# KiCad board toro60_hs.kicad_pcb
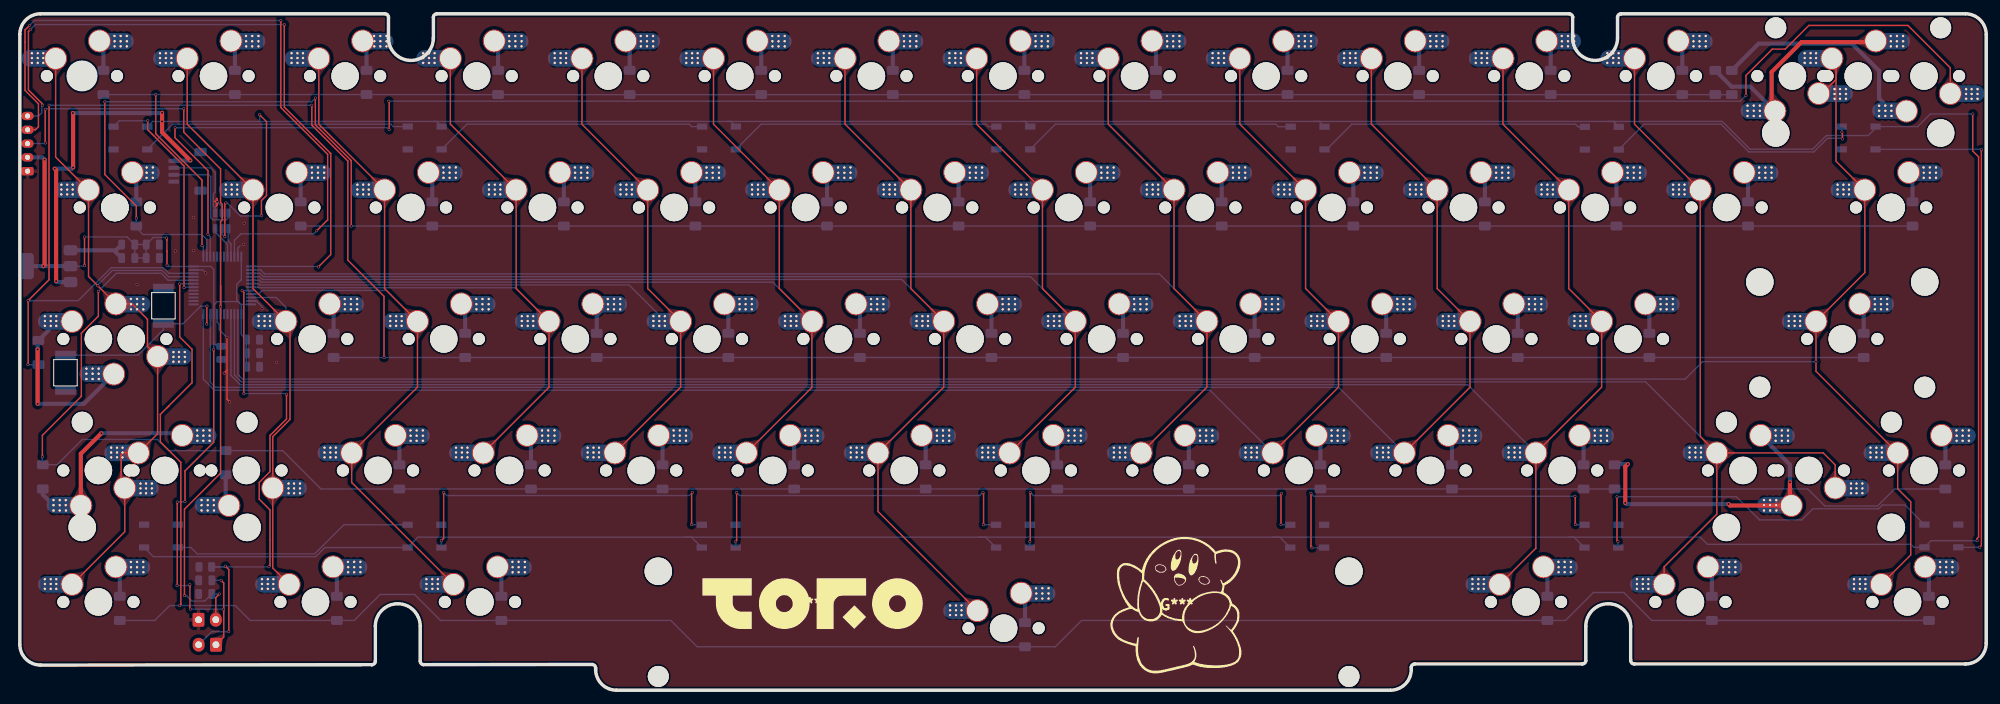
[diagram p0: board, top side]
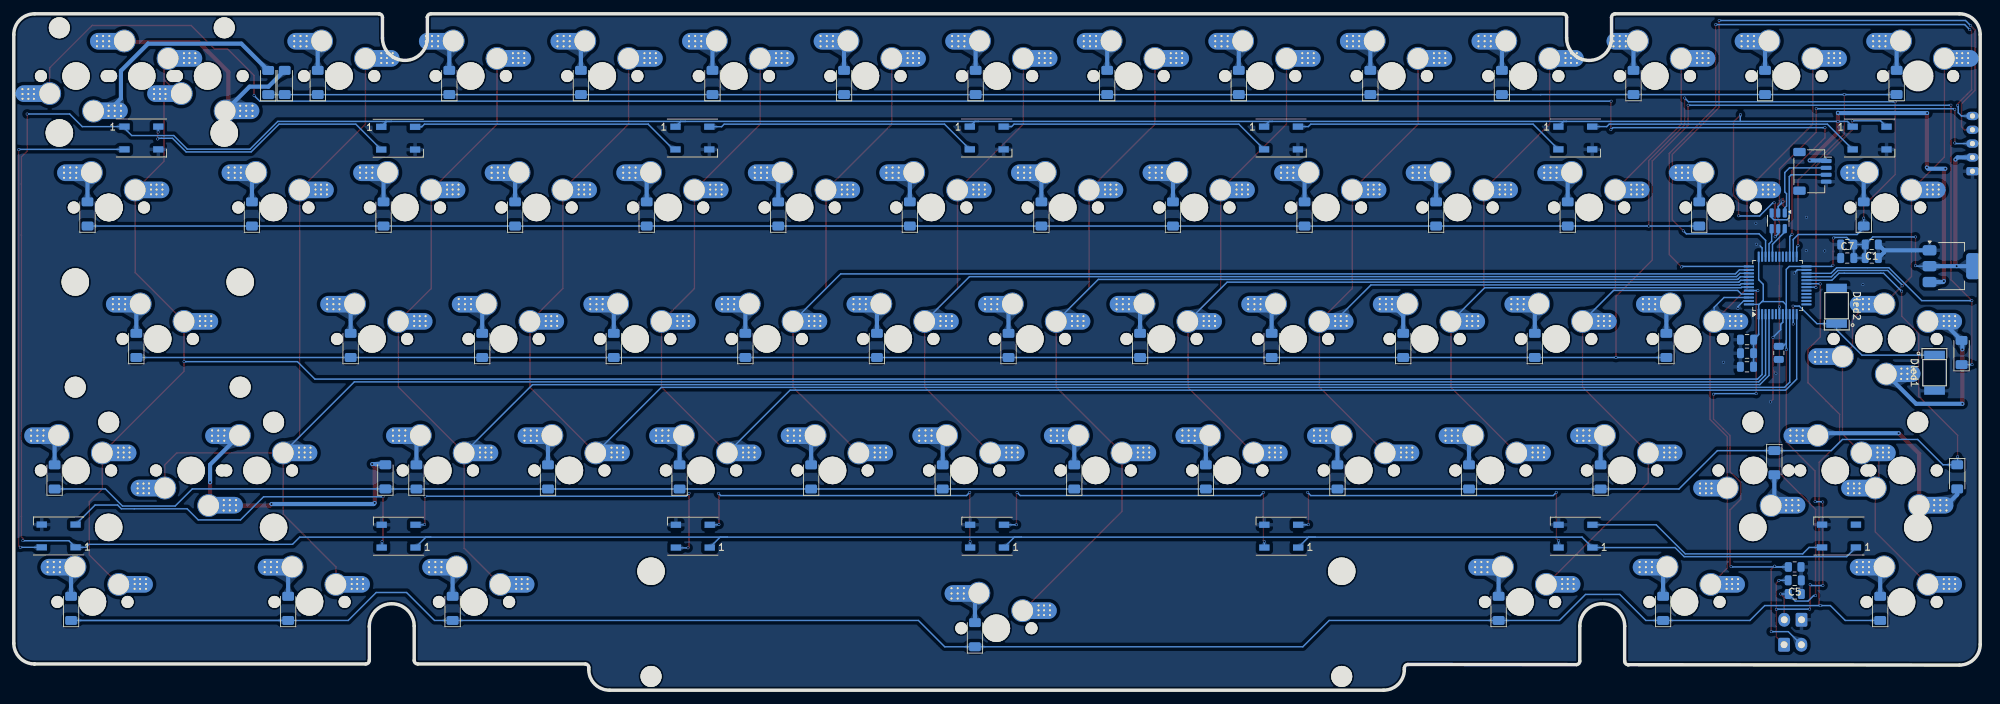
[diagram p1: board, bottom side, seen from below]

Outline 284.7 x 98 mm; copper layers: Top, Bottom. Coordinates in mm from the lower left corner of the outline.
Outline path: circle c9,89 r2 ; 0,95 arc(0.87,97.12) 2.98,98 52.87,98 arc(53.23,97.85) 53.38,97.5 53.38,94.49 arc(56.63,91.25) 59.88,94.5 59.88,97.5 arc(60.02,97.85) 60.37,98 224.32,98 arc(224.68,97.85) 224.82,97.5 224.82,94.5 arc(228.07,91.25) 231.32,94.5 231.32,97.5 arc(231.47,97.85) 231.82,98 281.7,98 arc(283.83,97.12) 284.7,94.99 284.7,6.8 arc(283.82,4.68) 281.7,3.8 233.73,3.8 arc(233.37,3.95) 233.23,4.31 233.23,9.28 arc(229.98,12.53) 226.73,9.28 226.73,4.3 arc(226.58,3.95) 226.22,3.8 201.94,3.8 arc(201.6,3.65) 201.45,3.3 201.45,3 arc(200.58,0.88) 198.46,0 86.38,0 arc(84.25,0.88) 83.37,3 83.37,3.24 arc(83.22,3.59) 82.87,3.73 58.47,3.7 arc(58.11,3.85) 57.97,4.21 57.97,9.28 arc(54.72,12.53) 51.47,9.28 51.47,4.2 arc(51.32,3.84) 50.97,3.7 3,3.64 arc(0.88,4.52) 0,6.64 0,95

## Placement (name value [footprint] x y rotation side)
C1  100nF  [C_0805_2012Metric]  15.7 64.57 0 bottom
C2  4.7uF  [C_0805_2012Metric]  19.24 64.57 180 bottom
C3  100nF  [C_0805_2012Metric]  33.75 48.82 180 bottom
C4  4.7uF  [C_0805_2012Metric]  29.16 48.87 90 bottom
C5  100nF  [C_0805_2012Metric]  26.85 15.92 0 bottom
C6  4.7uF  [C_0805_2012Metric]  15.7 62.61 0 bottom
C7  100nF  [C_0805_2012Metric]  19.24 62.61 180 bottom
C8  4.7uF  [C_0805_2012Metric]  33.75 50.78 180 bottom
C9  4.7uF  [C_0805_2012Metric]  33.77 46.85 180 bottom
C10  4.7uF  [C_0805_2012Metric]  26.84 13.94 180 bottom
D1  D_Small  [D_MiniMELF]  12.09 88.05 90 bottom
D2  D_Small  [D_MiniMELF]  31.14 88.05 90 bottom
D3  D_Small  [D_MiniMELF]  50.19 88.05 90 bottom
D4  D_Small  [D_MiniMELF]  69.25 88.05 90 bottom
D5  D_Small  [D_MiniMELF]  88.3 88.05 90 bottom
D6  D_Small  [D_MiniMELF]  107.34 88.05 90 bottom
D7  D_Small  [D_MiniMELF]  126.39 88.05 90 bottom
D8  D_Small  [D_MiniMELF]  145.44 88.05 90 bottom
D9  D_Small  [D_MiniMELF]  164.5 88.05 90 bottom
D10  D_Small  [D_MiniMELF]  183.55 88.05 90 bottom
D11  D_Small  [D_MiniMELF]  202.59 88.05 90 bottom
D12  D_Small  [D_MiniMELF]  221.64 88.05 90 bottom
D13  D_Small  [D_MiniMELF]  240.69 88.05 90 bottom
D14  D_Small  [D_MiniMELF]  245.47 88.05 90 bottom
D15  D_Small  [D_MiniMELF]  247.88 88.04 90 bottom
D16  D_Small  [D_MiniMELF]  16.86 69 90 bottom
D17  D_Small  [D_MiniMELF]  40.67 69 90 bottom
D18  D_Small  [D_MiniMELF]  59.72 69 90 bottom
D19  D_Small  [D_MiniMELF]  78.77 69 90 bottom
D20  D_Small  [D_MiniMELF]  97.82 69 90 bottom
D21  D_Small  [D_MiniMELF]  116.87 69 90 bottom
D22  D_Small  [D_MiniMELF]  135.92 69 90 bottom
D23  D_Small  [D_MiniMELF]  154.97 69 90 bottom
D24  D_Small  [D_MiniMELF]  174.02 69 90 bottom
D25  D_Small  [D_MiniMELF]  193.07 69 90 bottom
D26  D_Small  [D_MiniMELF]  212.12 69 90 bottom
D27  D_Small  [D_MiniMELF]  231.17 69 90 bottom
D28  D_Small  [D_MiniMELF]  250.22 69 90 bottom
D29  D_Small  [D_MiniMELF]  274.03 69 90 bottom
D30  D_Small  [D_MiniMELF]  2.7 48.92 90 bottom
D31  D_Small  [D_MiniMELF]  45.43 49.95 90 bottom
D32  D_Small  [D_MiniMELF]  64.48 49.95 90 bottom
D33  D_Small  [D_MiniMELF]  83.53 49.95 90 bottom
D34  D_Small  [D_MiniMELF]  102.58 49.95 90 bottom
D35  D_Small  [D_MiniMELF]  121.63 49.95 90 bottom
D36  D_Small  [D_MiniMELF]  140.68 49.95 90 bottom
D37  D_Small  [D_MiniMELF]  159.73 49.95 90 bottom
D38  D_Small  [D_MiniMELF]  178.78 49.95 90 bottom
D39  D_Small  [D_MiniMELF]  197.83 49.95 90 bottom
D40  D_Small  [D_MiniMELF]  216.88 49.95 90 bottom
D41  D_Small  [D_MiniMELF]  235.93 49.95 90 bottom
D42  D_Small  [D_MiniMELF]  266.96 49.95 90 bottom
D43  D_Small  [D_MiniMELF]  3.32 30.91 270 bottom
D44  D_Small  [D_MiniMELF]  29.8 32.96 270 bottom
D45  D_Small  [D_MiniMELF]  54.96 30.9 90 bottom
D46  D_Small  [D_MiniMELF]  74.01 30.9 90 bottom
D47  D_Small  [D_MiniMELF]  93.06 30.9 90 bottom
D48  D_Small  [D_MiniMELF]  112.11 30.9 90 bottom
D49  D_Small  [D_MiniMELF]  131.16 30.9 90 bottom
D50  D_Small  [D_MiniMELF]  150.21 30.9 90 bottom
D51  D_Small  [D_MiniMELF]  169.26 30.9 90 bottom
D52  D_Small  [D_MiniMELF]  188.31 30.9 90 bottom
D53  D_Small  [D_MiniMELF]  207.36 30.9 90 bottom
D54  D_Small  [D_MiniMELF]  226.41 30.9 90 bottom
D55  D_Small  [D_MiniMELF]  230.9 30.91 90 bottom
D56  D_Small  [D_MiniMELF]  278.79 30.9 90 bottom
D57  D_Small  [D_MiniMELF]  14.48 11.85 90 bottom
D58  D_Small  [D_MiniMELF]  45.91 11.85 90 bottom
D59  D_Small  [D_MiniMELF]  69.72 11.85 90 bottom
D63  D_Small  [D_MiniMELF]  145.54 8.04 90 bottom
D68  D_Small  [D_MiniMELF]  221.17 11.85 90 bottom
D69  D_Small  [D_MiniMELF]  244.98 11.85 90 bottom
D70  D_Small  [D_MiniMELF]  276.41 11.85 90 bottom
Dled1  LED  [LED-6028]  1.53 46 270 bottom
Dled2  LED  [LED-6028]  25.87 55.7 90 bottom
Drgb1  WS2812B  [LED_WS2812B_PLCC4_5.0x5.0mm_P3.2mm]  58.62 80.01 180 bottom
Drgb2  WS2812B  [LED_WS2812B_PLCC4_5.0x5.0mm_P3.2mm]  101.23 80.01 180 bottom
Drgb3  WS2812B  [LED_WS2812B_PLCC4_5.0x5.0mm_P3.2mm]  143.84 80.01 180 bottom
Drgb4  WS2812B  [LED_WS2812B_PLCC4_5.0x5.0mm_P3.2mm]  186.45 80 180 bottom
Drgb5  WS2812B  [LED_WS2812B_PLCC4_5.0x5.0mm_P3.2mm]  229.05 79.98 180 bottom
Drgb6  WS2812B  [LED_WS2812B_PLCC4_5.0x5.0mm_P3.2mm]  266.23 80.01 180 bottom
Drgb7  WS2812B  [LED_WS2812B_PLCC4_5.0x5.0mm_P3.2mm]  278.21 22.35 0 bottom
Drgb8  WS2812B  [LED_WS2812B_PLCC4_5.0x5.0mm_P3.2mm]  228.99 22.32 0 bottom
Drgb9  WS2812B  [LED_WS2812B_PLCC4_5.0x5.0mm_P3.2mm]  186.39 22.32 0 bottom
Drgb10  WS2812B  [LED_WS2812B_PLCC4_5.0x5.0mm_P3.2mm]  143.79 22.32 0 bottom
Drgb11  WS2812B  [LED_WS2812B_PLCC4_5.0x5.0mm_P3.2mm]  101.19 22.32 0 bottom
Drgb12  WS2812B  [LED_WS2812B_PLCC4_5.0x5.0mm_P3.2mm]  58.59 22.32 0 bottom
Drgb13  WS2812B  [LED_WS2812B_PLCC4_5.0x5.0mm_P3.2mm]  20.44 22.34 0 bottom
Drgb14  WS2812B  [LED_WS2812B_PLCC4_5.0x5.0mm_P3.2mm]  16.01 80 180 bottom
G***  LOGO  [logo_star]  167.56 12.38 0 top
G***#2  LOGO  [toro_logo_1]  114.77 12.54 0 top
J1  Conn_01x04_Pin  [JST_SH_SM04B-SRSS-TB_1x04-1MP_P1.00mm_Horizontal]  24.29 75.18 270 bottom
J2  Conn_01x05_Socket  [JST_PH_B5B-PH-K_1x05_P2.00mm_Vertical]  1.12 75.2 90 top
R1  R_Small  [R_0805_2012Metric]  26.86 17.86 180 bottom
SW1  SW_Push  [MXOnly-1U-Hotswap#3]  8.99 88.99 0 top
SW2  SW_Push  [MXOnly-1U-Hotswap]  28.05 88.99 0 top
SW3  SW_Push  [MXOnly-1U-Hotswap#2]  47.09 88.99 0 top
SW4  SW_Push  [MXOnly-1U-Hotswap]  66.14 88.99 0 top
SW5  SW_Push  [MXOnly-1U-Hotswap]  85.19 88.99 0 top
SW6  SW_Push  [MXOnly-1U-Hotswap]  104.24 88.99 0 top
SW7  SW_Push  [MXOnly-1U-Hotswap]  123.3 88.99 0 top
SW8  SW_Push  [MXOnly-1U-Hotswap]  142.34 88.99 0 top
SW9  SW_Push  [MXOnly-1U-Hotswap]  161.39 88.99 0 top
SW10  SW_Push  [MXOnly-1U-Hotswap]  180.44 88.99 0 top
SW11  SW_Push  [MXOnly-1U-Hotswap]  199.5 88.99 0 top
SW12  SW_Push  [MXOnly-1U-Hotswap]  218.55 88.99 0 top
SW13  SW_Push  [MXOnly-1U-Hotswap]  237.59 88.99 0 top
SW14  SW_Push  [MXOnly-1U-Hotswap]  256.64 88.99 180 top
SW15  SW_Push  [MXOnly-1U-Hotswap]  275.69 88.99 180 top
SW16  SW_Push  [MXOnly-1.5U-Hotswap#2]  13.76 69.94 0 top
SW17  SW_Push  [MXOnly-1U-Hotswap]  37.57 69.94 0 top
SW18  SW_Push  [MXOnly-1U-Hotswap]  56.62 69.94 0 top
SW19  SW_Push  [MXOnly-1U-Hotswap]  75.67 69.94 0 top
SW20  SW_Push  [MXOnly-1U-Hotswap]  94.72 69.94 0 top
SW21  SW_Push  [MXOnly-1U-Hotswap]  113.77 69.94 0 top
SW22  SW_Push  [MXOnly-1U-Hotswap]  132.82 69.94 0 top
SW23  SW_Push  [MXOnly-1U-Hotswap]  151.87 69.94 0 top
SW24  SW_Push  [MXOnly-1U-Hotswap]  170.92 69.94 0 top
SW25  SW_Push  [MXOnly-1U-Hotswap]  189.97 69.94 0 top
SW26  SW_Push  [MXOnly-1U-Hotswap]  209.02 69.94 0 top
SW27  SW_Push  [MXOnly-1U-Hotswap]  228.07 69.94 0 top
SW28  SW_Push  [MXOnly-1U-Hotswap]  247.12 69.94 0 top
SW29  SW_Push  [MXOnly-1.5U-Hotswap]  270.93 69.94 0 top
SW30  SW_Push  [MXOnly-1.75U-Hotswap]  16.14 50.89 180 top
SW31  SW_Push  [MXOnly-1U-Hotswap]  42.33 50.89 0 top
SW32  SW_Push  [MXOnly-1U-Hotswap]  61.38 50.89 0 top
SW33  SW_Push  [MXOnly-1U-Hotswap]  80.43 50.89 0 top
SW34  SW_Push  [MXOnly-1U-Hotswap]  99.48 50.89 0 top
SW35  SW_Push  [MXOnly-1U-Hotswap]  118.53 50.89 0 top
SW36  SW_Push  [MXOnly-1U-Hotswap]  137.58 50.89 0 top
SW37  SW_Push  [MXOnly-1U-Hotswap]  156.63 50.89 0 top
SW38  SW_Push  [MXOnly-1U-Hotswap]  175.68 50.89 0 top
SW39  SW_Push  [MXOnly-1U-Hotswap]  194.73 50.89 0 top
SW40  SW_Push  [MXOnly-1U-Hotswap]  213.78 50.89 0 top
SW41  SW_Push  [MXOnly-1U-Hotswap]  232.83 50.89 0 top
SW42  SW_Push  [MXOnly-2.25U-Hotswap-ReversedStabilizers]  263.86 50.89 0 top
SW43  SW_Push  [MXOnly-1.25U-Hotswap]  11.38 31.84 180 top
SW44  SW_Push  [MXOnly-1U-Hotswap]  32.81 31.84 180 top
SW45  SW_Push  [MXOnly-1U-Hotswap]  51.86 31.84 0 top
SW46  SW_Push  [MXOnly-1U-Hotswap]  70.91 31.84 0 top
SW47  SW_Push  [MXOnly-1U-Hotswap]  89.96 31.84 0 top
SW48  SW_Push  [MXOnly-1U-Hotswap]  109.01 31.84 0 top
SW49  SW_Push  [MXOnly-1U-Hotswap]  128.06 31.84 0 top
SW50  SW_Push  [MXOnly-1U-Hotswap]  147.11 31.84 0 top
SW51  SW_Push  [MXOnly-1U-Hotswap]  166.16 31.84 0 top
SW52  SW_Push  [MXOnly-1U-Hotswap]  185.21 31.84 0 top
SW53  SW_Push  [MXOnly-1U-Hotswap]  204.26 31.84 0 top
SW54  SW_Push  [MXOnly-1U-Hotswap]  223.31 31.84 0 top
SW55  SW_Push  [MXOnly-1.75U-Hotswap]  249.5 31.84 0 top
SW56  SW_Push  [MXOnly-1U-Hotswap]  275.69 31.84 0 top
SW57  SW_Push  [MXOnly-1.25U-Hotswap]  11.38 12.79 0 top
SW58  SW_Push  [MXOnly-1.25U-Hotswap]  42.81 12.79 0 top
SW59  SW_Push  [MXOnly-1.25U-Hotswap]  66.62 12.79 0 top
SW63  SW_Push  [MXOnly-6.25U-Hotswap-ReversedStabilizers]  142.44 8.98 0 top
SW68  SW_Push  [MXOnly-1.25U-Hotswap]  218.07 12.79 0 top
SW69  SW_Push  [MXOnly-1.25U-Hotswap]  241.88 12.79 0 top
SW70  SW_Push  [MXOnly-1.25U-Hotswap]  273.31 12.79 0 top
SW1000  SW_Push  [MXOnly-2U-Hotswap]  266.17 88.99 0 top
SW1002  SW_Push  [MXOnly-1.25U-Hotswap]  11.38 50.89 0 top
SW1004  SW_Push  [MXOnly-2.25U-Hotswap]  20.98 31.84 0 top
SW1005  SW_Push  [MXOnly-2.75U-Hotswap-ReversedStabilizers]  259.03 31.84 180 top
SWbôt1  SW_Push  [JST_EH_B2B-EH-A_1x02_P2.50mm_Vertical]  28.39 6.59 180 top
SWbôtrst1  SW_Push  [JST_EH_B2B-EH-A_1x02_P2.50mm_Vertical]  25.87 10.21 0 top
U2  AMS1117  [SOT-223-3_TabPin2]  4.18 61.44 180 bottom
U3  USBLC6-2SC6  [SOT-23-6]  29.24 68.01 270 bottom
Ud1  STM32F072-LQFP48  [LQFP-48_7x7mm_P0.5mm]  29.32 58.65 90 bottom

## Library data of the parts
C1-C10 = -: Description: Unpolarized capacitor, small symbol; ki_fp_filters: C_*
D1-D59 D63 D68-D70 = -: Description: Diode, small symbol; Sim.Device: D; Sim.Pins: 1=K 2=A; ki_fp_filters: TO-???* *_Diode_* *SingleDiode* D_*
Dled1 Dled2 = -: Description: Light emitting diode; ki_fp_filters: LED* LED_SMD:* LED_THT:*
Drgb1-Drgb14 = -: Datasheet: https://cdn-shop.adafruit.com/datasheets/WS2812B.pdf; Description: RGB LED with integrated controller; ki_fp_filters: LED*WS2812*PLCC*5.0x5.0mm*P3.2mm*
J1 = -: Description: Generic connector, single row, 01x04, script generated; ki_fp_filters: Connector*:*_1x??_*
J2 = -: Description: Generic connector, single row, 01x05, script generated; ki_fp_filters: Connector*:*_1x??_*
R1 = -: Description: Resistor, small symbol; ki_fp_filters: R_*
SW1-SW59 SW63 SW68-SW70 SW1000 SW1002 SW1004 SW1005 SWbôt1 SWbôtrst1 = -: Description: Push button switch, generic, two pins
U2 = -: Datasheet: http://www.advanced-monolithic.com/pdf/ds1117.pdf; Description: 1A Low Dropout regulator, positive, adjustable output, SOT-223; ki_fp_filters: SOT?223*TabPin2*
U3 = -: Datasheet: https://www.st.com/resource/en/datasheet/usblc6-2.pdf; Description: Very low capacitance ESD protection diode, 2 data-line, SOT-23-6; ki_fp_filters: SOT?23*

## Footprints (pads in the part's own frame, mm; a bottom-side part is the same pattern mirrored in y, then rotated)
C_0805_2012Metric
  rrect 1x1.45 smd: 1(-0.95,0) 2(0.95,0)
D_MiniMELF
  rrect 1.3x1.7 smd: 1(-1.75,0) 2(1.75,0)
JST_EH_B2B-EH-A_1x02_P2.50mm_Vertical
  rrect 1.7x2 hole 1: 1(0,0)
  oval 1.7x2 hole 1: 2(2.5,0)
JST_PH_B5B-PH-K_1x05_P2.00mm_Vertical
  rrect 1.2x1.75 hole 0.75: 1(0,0)
  oval 1.2x1.75 hole 0.75: 2(2,0) 3(4,0) 4(6,0) 5(8,0)
JST_SH_SM04B-SRSS-TB_1x04-1MP_P1.00mm_Horizontal
  rrect 0.6x1.55 smd: 1(-1.5,2) 2(-0.5,2) 3(0.5,2) 4(1.5,2)
  rrect 1.2x1.8 smd: MP(-2.8,-1.875) MP(2.8,-1.875)
LED-6028
  rect 1.19x3 smd: 1(-2.595,-5.08) 2(2.595,-5.08)
LED_WS2812B_PLCC4_5.0x5.0mm_P3.2mm
  rect 1.5x0.9 smd: 1(-2.45,1.65) 2(-2.45,-1.65) 3(2.45,-1.65) 4(2.45,1.65)
LQFP-48_7x7mm_P0.5mm
  rrect 1.475x0.3 smd: 1(-4.162,2.75) 2(-4.162,2.25) 3(-4.162,1.75) 4(-4.162,1.25) 5(-4.162,0.75) 6(-4.162,0.25) 7(-4.162,-0.25) 8(-4.162,-0.75) 9(-4.162,-1.25) 10(-4.162,-1.75) 11(-4.162,-2.25) 12(-4.162,-2.75) 25(4.162,-2.75) 26(4.162,-2.25) 27(4.162,-1.75) 28(4.162,-1.25) 29(4.162,-0.75) 30(4.162,-0.25) 31(4.162,0.25) 32(4.162,0.75) 33(4.162,1.25) 34(4.162,1.75) 35(4.162,2.25) 36(4.162,2.75)
  rrect 0.3x1.475 smd: 13(-2.75,-4.162) 14(-2.25,-4.162) 15(-1.75,-4.162) 16(-1.25,-4.162) 17(-0.75,-4.162) 18(-0.25,-4.162) 19(0.25,-4.162) 20(0.75,-4.162) 21(1.25,-4.162) 22(1.75,-4.162) 23(2.25,-4.162) 24(2.75,-4.162) 37(2.75,4.162) 38(2.25,4.162) 39(1.75,4.162) 40(1.25,4.162) 41(0.75,4.162) 42(0.25,4.162) 43(-0.25,4.162) 44(-0.75,4.162) 45(-1.25,4.162) 46(-1.75,4.162) 47(-2.25,4.162) 48(-2.75,4.162)
MXOnly-1.5U-Hotswap
  round 1.75 hole 1.75 unplated: (-5.08,0) (5.08,0)
  round 3.988 hole 3.988 unplated: (0,0)
  round 4 hole 4 unplated: (0,0)
  round 3.3 hole 3: 1(2.54,5.08) 2(-3.81,2.54)
  round 0.4 hole 0.3: 1(4.7,5.8) 1(4.725,5.035) 1(4.725,4.3) 1(5.6,5.8) 1(5.6,5.035) 1(5.6,4.3) 1(6.5,5.8) 1(6.5,5.035) 1(6.5,4.3) 2(-7.75,3.3) 2(-7.75,2.6) 2(-7.75,1.9) 2(-6.9,3.3) 2(-6.9,2.6) 2(-6.9,1.9) 2(-6.1,3.3) 2(-6.1,2.6) 2(-6.1,1.9)
  oval 5.5x2.41 smd far side: 1(4.75,5.035) 2(-6,2.55)
MXOnly-1.5U-Hotswap#2
  round 1.75 hole 1.75 unplated: (-5.08,0) (5.08,0)
  round 3.988 hole 3.988 unplated: (0,0)
  round 4 hole 4 unplated: (0,0)
  round 3.3 hole 3: 1(2.54,5.08) 2(-3.81,2.54)
  round 0.4 hole 0.3: 1(3.2,5.8) 1(3.225,5.035) 1(3.225,4.3) 1(4.6,5.8) 1(4.6,5.035) 1(4.6,4.3) 1(5.5,5.8) 1(5.5,5.035) 1(5.5,4.3) 2(-7.75,3.3) 2(-7.75,2.6) 2(-7.75,1.9) 2(-6.9,3.3) 2(-6.9,2.6) 2(-6.9,1.9) 2(-6.1,3.3) 2(-6.1,2.6) 2(-6.1,1.9)
  oval 5.5x2.41 smd far side: 1(3.75,5.035) 2(-6,2.55)
MXOnly-1.25U-Hotswap
  round 1.75 hole 1.75 unplated: (-5.08,0) (5.08,0)
  round 3.988 hole 3.988 unplated: (0,0)
  round 3.3 hole 3: 1(2.54,5.08) 2(-3.81,2.54)
  round 0.4 hole 0.3: 1(4.7,5.8) 1(4.725,5.035) 1(4.725,4.3) 1(5.6,5.8) 1(5.6,5.035) 1(5.6,4.3) 1(6.5,5.8) 1(6.5,5.035) 1(6.5,4.3) 2(-7.75,3.3) 2(-7.75,2.6) 2(-7.75,1.9) 2(-6.9,3.3) 2(-6.9,2.6) 2(-6.9,1.9) 2(-6.1,3.3) 2(-6.1,2.6) 2(-6.1,1.9)
  oval 5.5x2.41 smd far side: 1(4.75,5.035) 2(-6,2.55)
MXOnly-1.75U-Hotswap
  round 1.75 hole 1.75 unplated: (-5.08,0) (5.08,0)
  round 3.988 hole 3.988 unplated: (0,0)
  round 3.3 hole 3: 1(2.54,5.08) 2(-3.81,2.54)
  round 0.4 hole 0.3: 1(4.7,5.8) 1(4.725,5.035) 1(4.725,4.3) 1(5.6,5.8) 1(5.6,5.035) 1(5.6,4.3) 1(6.5,5.8) 1(6.5,5.035) 1(6.5,4.3) 2(-7.75,3.3) 2(-7.75,2.6) 2(-7.75,1.9) 2(-6.9,3.3) 2(-6.9,2.6) 2(-6.9,1.9) 2(-6.1,3.3) 2(-6.1,2.6) 2(-6.1,1.9)
  oval 5.5x2.41 smd far side: 1(4.75,5.035) 2(-6,2.55)
MXOnly-1U-Hotswap
  round 1.75 hole 1.75 unplated: (-5.08,0) (5.08,0)
  round 3.988 hole 3.988 unplated: (0,0)
  round 3.3 hole 3: 1(2.54,5.08) 2(-3.81,2.54)
  round 0.4 hole 0.3: 1(4.7,5.8) 1(4.725,5.035) 1(4.725,4.3) 1(5.6,5.8) 1(5.6,5.035) 1(5.6,4.3) 1(6.5,5.8) 1(6.5,5.035) 1(6.5,4.3) 2(-7.75,3.3) 2(-7.75,2.6) 2(-7.75,1.9) 2(-6.9,3.3) 2(-6.9,2.6) 2(-6.9,1.9) 2(-6.1,3.3) 2(-6.1,2.6) 2(-6.1,1.9)
  oval 5.5x2.41 smd far side: 1(4.75,5.035) 2(-6,2.55)
MXOnly-1U-Hotswap#2
  round 1.75 hole 1.75 unplated: (-5.08,0) (5.08,0)
  round 3.988 hole 3.988 unplated: (0,0)
  round 3.3 hole 3: 1(2.54,5.08) 2(-3.81,2.54)
  round 0.4 hole 0.3: 1(4.2,5.8) 1(4.225,5.035) 1(4.225,4.3) 1(5.1,5.8) 1(5.1,5.035) 1(5.1,4.3) 1(6,5.8) 1(6,5.035) 1(6,4.3) 2(-7.75,3.3) 2(-7.75,2.6) 2(-7.75,1.9) 2(-6.9,3.3) 2(-6.9,2.6) 2(-6.9,1.9) 2(-6.1,3.3) 2(-6.1,2.6) 2(-6.1,1.9)
  oval 5.5x2.41 smd far side: 1(4.25,5.035) 2(-6,2.55)
MXOnly-1U-Hotswap#3
  round 1.75 hole 1.75 unplated: (-5.08,0) (5.08,0)
  round 3.988 hole 3.988 unplated: (0,0)
  round 3.3 hole 3: 1(2.54,5.08) 2(-3.81,2.54)
  round 0.4 hole 0.3: 1(4.7,5.8) 1(4.725,5.035) 1(4.725,4.3) 1(5.6,5.8) 1(5.6,5.035) 1(5.6,4.3) 1(6.5,5.8) 1(6.5,5.035) 1(6.5,4.3) 2(-7.25,3.3) 2(-7.25,2.6) 2(-7.25,1.9) 2(-6.4,3.3) 2(-6.4,2.6) 2(-6.4,1.9) 2(-5.6,3.3) 2(-5.6,2.6) 2(-5.6,1.9)
  oval 5.5x2.41 smd far side: 1(4.75,5.035) 2(-6,2.55)
MXOnly-2.25U-Hotswap
  round 3.048 hole 3.048 unplated: (-11.938,6.985) (11.938,6.985)
  round 3.988 hole 3.988 unplated: (-11.938,-8.255) (0,0) (11.938,-8.255)
  round 1.75 hole 1.75 unplated: (-5.08,0) (5.08,0)
  round 3.3 hole 3: 1(2.54,5.08) 2(-3.81,2.54)
  round 0.4 hole 0.3: 1(4.7,5.8) 1(4.725,5.035) 1(4.725,4.3) 1(5.6,5.8) 1(5.6,5.035) 1(5.6,4.3) 1(6.5,5.8) 1(6.5,5.035) 1(6.5,4.3) 2(-7.75,3.3) 2(-7.75,2.6) 2(-7.75,1.9) 2(-6.9,3.3) 2(-6.9,2.6) 2(-6.9,1.9) 2(-6.1,3.3) 2(-6.1,2.6) 2(-6.1,1.9)
  oval 5.5x2.41 smd far side: 1(4.75,5.035) 2(-6,2.55)
MXOnly-2.25U-Hotswap-ReversedStabilizers
  round 3.988 hole 3.988 unplated: (-11.938,8.255) (0,0) (11.938,8.255)
  round 3.048 hole 3.048 unplated: (-11.938,-6.985) (11.938,-6.985)
  round 1.75 hole 1.75 unplated: (-5.08,0) (5.08,0)
  round 3.3 hole 3: 1(2.54,5.08) 2(-3.81,2.54)
  round 0.4 hole 0.3: 1(4.7,5.8) 1(4.725,5.035) 1(4.725,4.3) 1(5.6,5.8) 1(5.6,5.035) 1(5.6,4.3) 1(6.5,5.8) 1(6.5,5.035) 1(6.5,4.3) 2(-7.75,3.3) 2(-7.75,2.6) 2(-7.75,1.9) 2(-6.9,3.3) 2(-6.9,2.6) 2(-6.9,1.9) 2(-6.1,3.3) 2(-6.1,2.6) 2(-6.1,1.9)
  oval 5.5x2.41 smd far side: 1(4.75,5.035) 2(-6,2.55)
MXOnly-2.75U-Hotswap-ReversedStabilizers
  round 3.988 hole 3.988 unplated: (-11.938,8.255) (0,0) (11.938,8.255)
  round 3.048 hole 3.048 unplated: (-11.938,-6.985) (11.938,-6.985)
  round 1.75 hole 1.75 unplated: (-5.08,0) (5.08,0)
  round 3.3 hole 3: 1(2.54,5.08) 2(-3.81,2.54)
  round 0.4 hole 0.3: 1(4.7,5.8) 1(4.725,5.035) 1(4.725,4.3) 1(5.6,5.8) 1(5.6,5.035) 1(5.6,4.3) 1(6.5,5.8) 1(6.5,5.035) 1(6.5,4.3) 2(-7.75,3.3) 2(-7.75,2.6) 2(-7.75,1.9) 2(-6.9,3.3) 2(-6.9,2.6) 2(-6.9,1.9) 2(-6.1,3.3) 2(-6.1,2.6) 2(-6.1,1.9)
  oval 5.5x2.41 smd far side: 1(4.75,5.035) 2(-6,2.55)
MXOnly-2U-Hotswap
  round 3.048 hole 3.048 unplated: (-11.938,6.985) (11.938,6.985)
  round 3.988 hole 3.988 unplated: (-11.938,-8.255) (0,0) (11.938,-8.255)
  round 1.75 hole 1.75 unplated: (-5.08,0) (5.08,0)
  round 3.3 hole 3: 1(2.54,5.08) 2(-3.81,2.54)